# Altium PCB ALCT_MEZ_SPARTAN6T.PcbDoc (part 2 of 12) (continued)
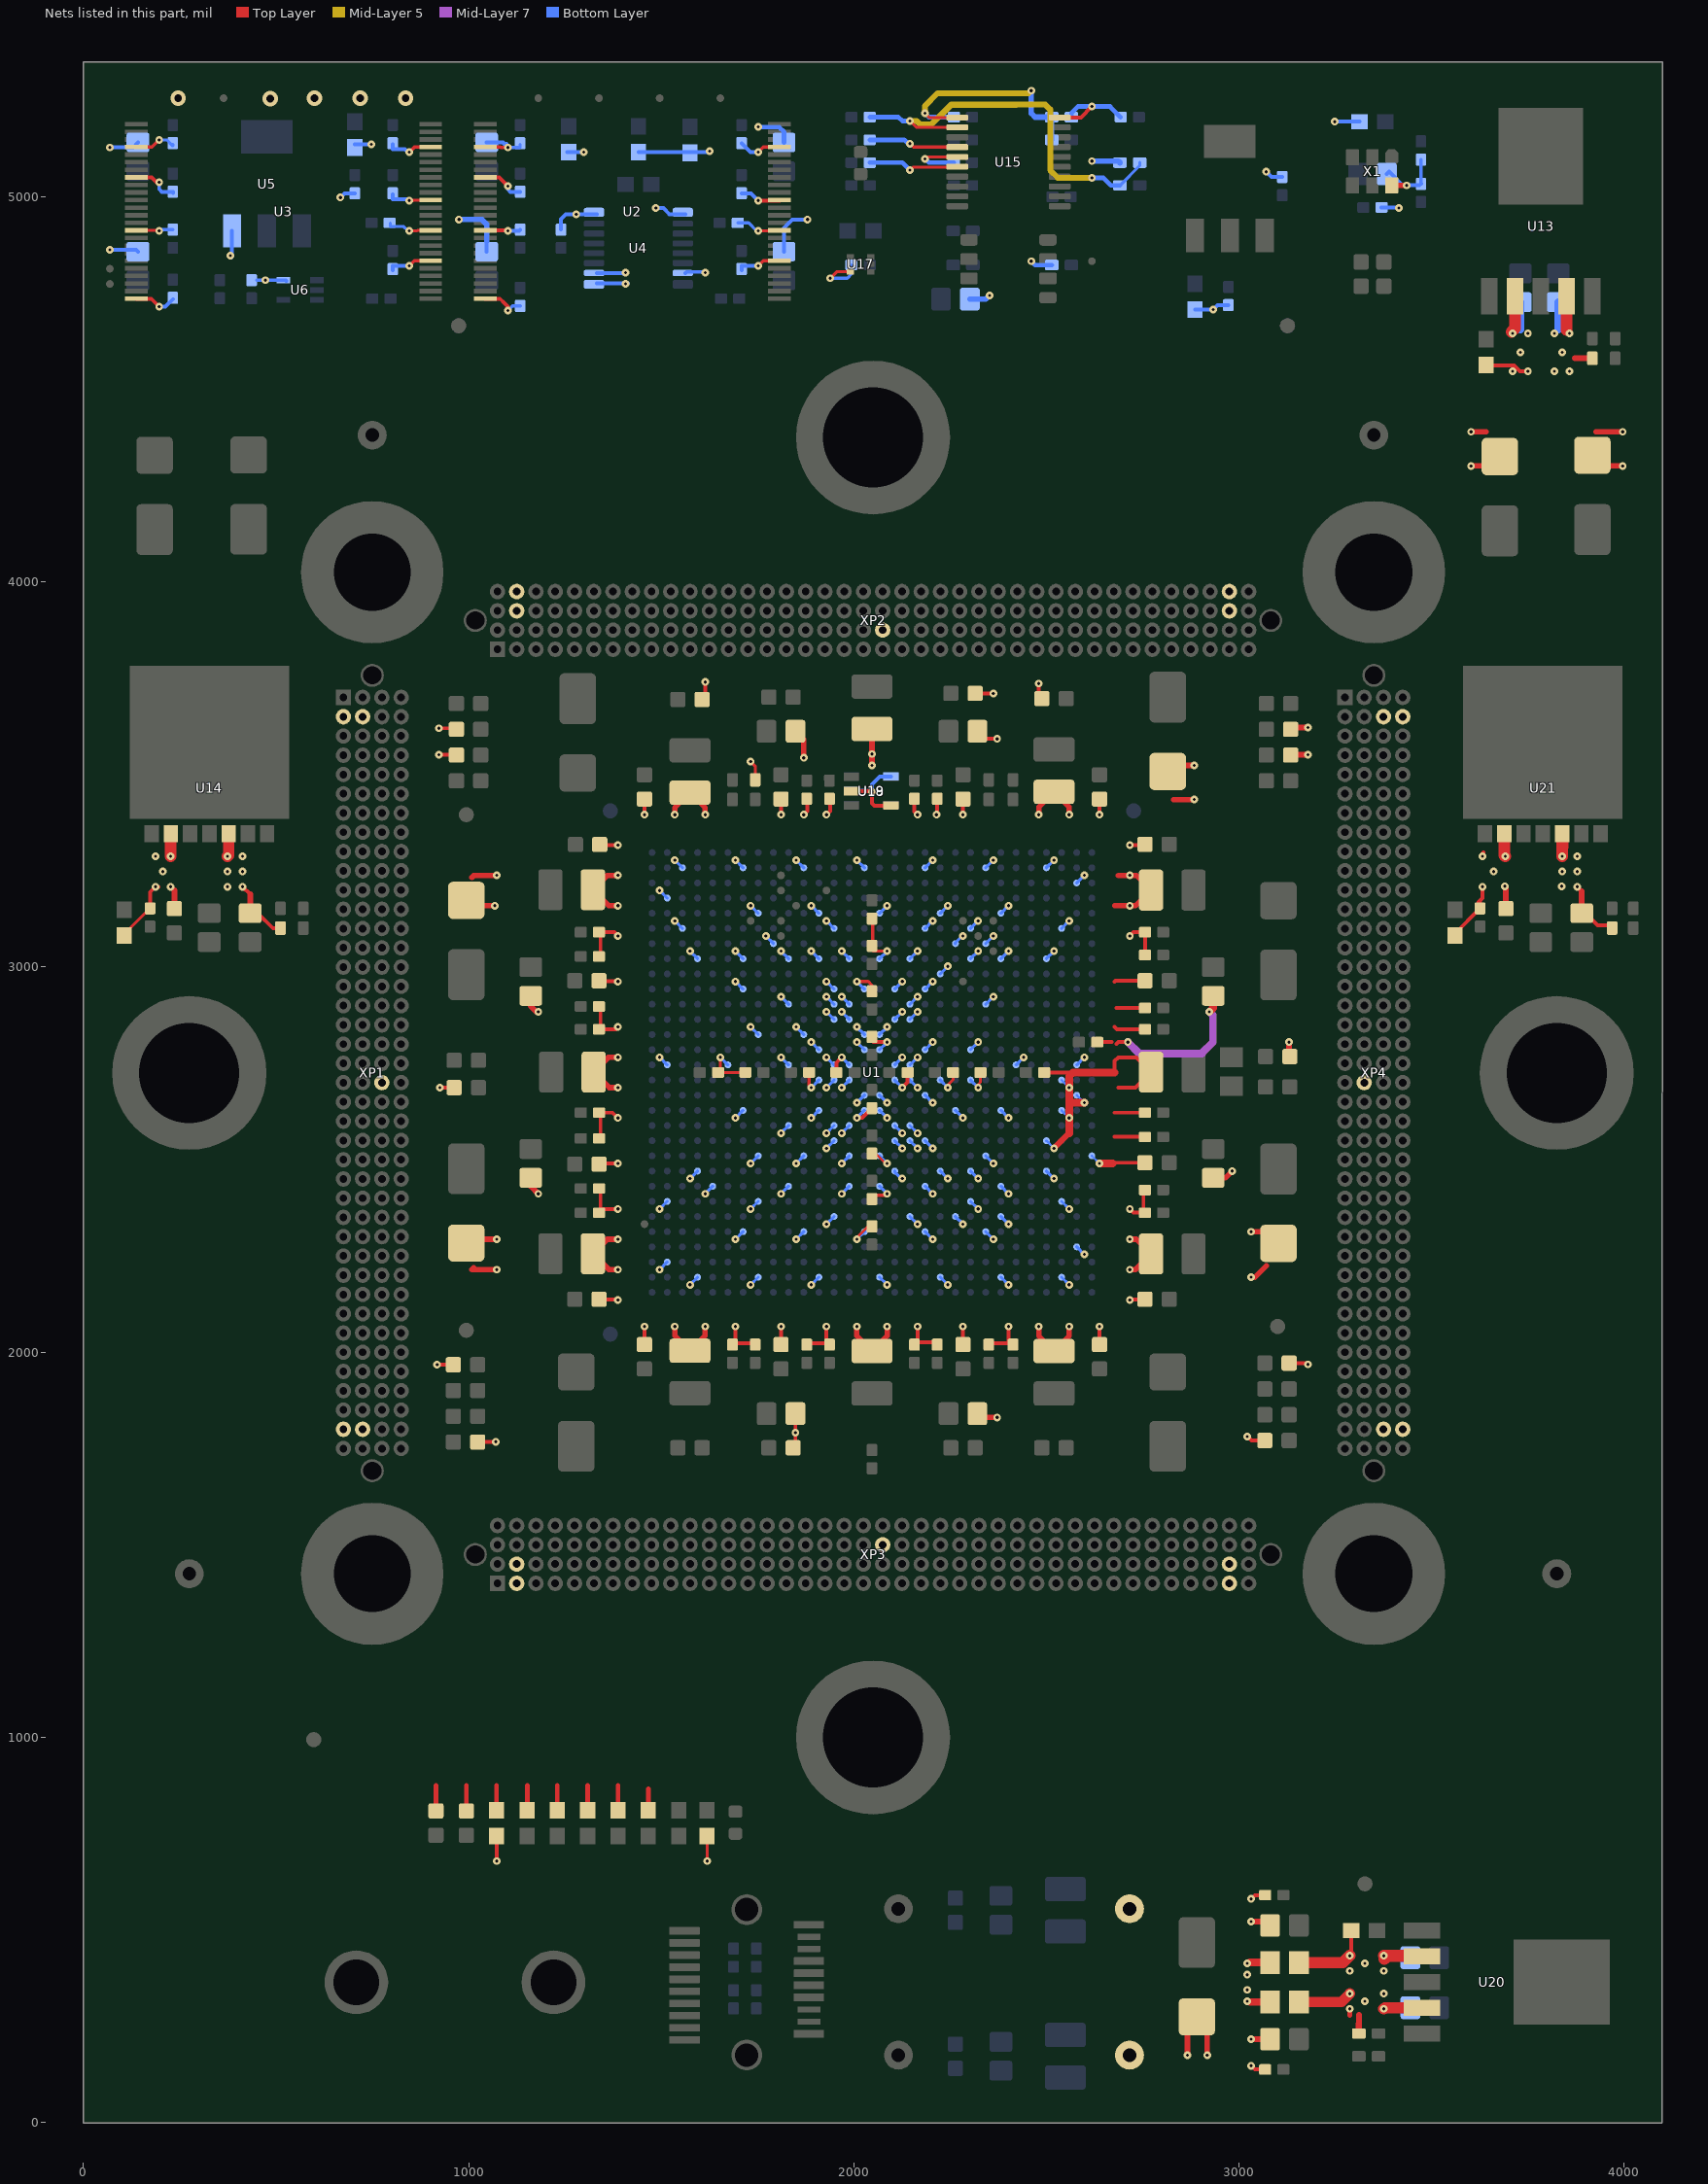
[diagram p12: the nets of this part, all layers, seen from the top]
## Part data (continued)
R03: library part ERA-2AEB162X, "RES SMD 1.6K OHM 0.1% 1/16W 0402", Manufacturer="Panasonic Electronic Components", Operating Temperature="-55°C ~ 155°C", Package=0402, Package / Case="0402 (1005 Metric)", Power (Watts)="0.063W, 1/16W", Supplier Part Number 1=P1.6KDCCT-ND, Temperature Coefficient=±25ppm/°C, Tolerance=±0.1%, Category=Resistors, ComponentLink1Description=https://industrial.panasonic.com/cdbs/www-data/pdf/RDA0000/AOA0000C237.pdf, ComponentLink1URL=https://industrial.panasonic.com/cdbs/www-data/pdf/RDA0000/AOA0000C237.pdf, Composition="Thin Film", Failure Rate=-, Features="Automotive AEC-Q200", Height - Seated (Max)="0.016\" (0.40mm)", Manufacturer Part Number=ERA-2AEB162X, Number of Terminations=2, Packaging="Cut Tape (CT)", Part Status=Active, Pricing 1="1=0.61, 50=0.238, 100=0.1913, 250=0.14876, 500=0.1122, 1000=0.0867, 5000=0.0646 (USD)", Pricing 2="1=0.61, 50=0.238, 100=0.1913, 250=0.14876, 500=0.1122, 1000=0.0867, 5000=0.0646 (USD)", Resistance (Ohms)=1.6k, RoHS="RoHS Compliant", Size / Dimension="0.039\" L x 0.020\" W (1.00mm x 0.50mm)", Stock 1=15584, Stock 2=15584, Supplier 1=Digi-Key, Supplier 2=Digi-Key, Supplier Device Package=0402, Supplier Part Number 2=P1.6KDCDKR-ND
R3 R4: library part ERJ-3EKF1870V, "RES SMD 187 OHM 1% 1/10W 0603", Manufacturer="Panasonic Electronic Components", Operating Temperature="-55°C ~ 155°C", Package / Case="0603 (1608 Metric)", Power (Watts)="0.1W, 1/10W", Resistance (Ohms)=187, Supplier Device Package=0603, Supplier Part Number 1=P187HCT-ND, Temperature Coefficient=±100ppm/°C, Tolerance=±1%, Category=Resistors, ComponentLink1Description=http://industrial.panasonic.com/www-cgi/jvcr13pz.cgi?E+PZ+3+AOA0002+ERJ3EKF1870V+7+WW, ComponentLink1URL=http://industrial.panasonic.com/www-cgi/jvcr13pz.cgi?E+PZ+3+AOA0002+ERJ3EKF1870V+7+WW, Composition="Thick Film", Failure Rate=-, Features="Automotive AEC-Q200", Height - Seated (Max)="0.022\" (0.55mm)", Manufacturer Part Number=ERJ-3EKF1870V, Number of Terminations=2, Packaging="Cut Tape (CT)", Part Status=Active, Pricing 1="1=0.1, 10=0.019, 25=0.0136, 50=0.0104, 100=0.0077, 250=0.00584, 500=0.00468, 1000=0.00345 (USD)", Pricing 2="1=0.1, 10=0.019, 25=0.0136, 50=0.0104, 100=0.0077, 250=0.00584, 500=0.00468, 1000=0.00345 (USD)", RoHS="RoHS Compliant", Size / Dimension="0.063\" L x 0.031\" W (1.60mm x 0.80mm)", Stock 1=136341, Stock 2=136341, Supplier 1=Digi-Key, Supplier 2=Digi-Key, Supplier Part Number 2=P187HDKR-ND
R04 R05: library part HCJ0805ZT0R00, "RES SMD 0.0 OHM JUMPER 0805 HIGH CURRENT", Manufacturer="Stackpole Electronics Inc.", Operating Temperature="-55°C ~ 155°C", Package / Case="0805 (2012 Metric)", Power (Watts)="0.5W, 1/2W", Resistance (Ohms)=0.0, Supplier Device Package=0805, Supplier Part Number 1=HCJ0805ZT0R00CT-ND, Temperature Coefficient=-, Tolerance=Jumper, Category=Resistors, ComponentLink1Description=http://www.seielect.com/catalog/SEI-HCJ.pdf, ComponentLink1URL=http://www.seielect.com/catalog/SEI-HCJ.pdf, Composition=-, Failure Rate=-, Features="Automotive AEC-Q200", Height - Seated (Max)="0.031\" (0.80mm)", Manufacturer Part Number=HCJ0805ZT0R00, Number of Terminations=2, Packaging="Cut Tape (CT)", Part Status=Active, Pricing 1="1=0.59, 10=0.455, 25=0.3464, 50=0.2574, 100=0.1914, 250=0.16172, 500=0.1386, 1000=0.1056 (USD)", Pricing 2="1=0.59, 10=0.455, 25=0.3464, 50=0.2574, 100=0.1914, 250=0.16172, 500=0.1386, 1000=0.1056 (USD)", RoHS="RoHS Compliant", Size / Dimension="0.079\" L x 0.049\" W (2.00mm x 1.25mm)", Stock 1=10033, Stock 2=10033, Supplier 1=Digi-Key, Supplier 2=Digi-Key, Supplier Part Number 2=HCJ0805ZT0R00DKR-ND
R07: library part ERA-2ARB3571X, "RES SMD 3.57k OHM 0.1% 1/16W 0402", Manufacturer="Panasonic Electronic Components", Operating Temperature="-55°C ~ 155°C", Package / Case="0402 (1005 Metric)", Power (Watts)="0.063W, 1/16W", Supplier Device Package=0402, Supplier Part Number 1=P18039CT-ND, Temperature Coefficient=±10ppm/°C, Tolerance=±0.1%, Category=Resistors, ComponentLink1Description=https://industrial.panasonic.com/cdbs/www-data/pdf/RDM0000/AOA0000C237.pdf, ComponentLink1URL=https://industrial.panasonic.com/cdbs/www-data/pdf/RDM0000/AOA0000C237.pdf, Composition="Thin Film", Failure Rate=-, Features="Automotive AEC-Q200", Height - Seated (Max)="0.016\" (0.40mm)", Manufacturer Part Number=ERA-2ARB3571X, Packaging="Cut Tape (CT)", Part Status=Active, Pricing 1="1=0.77, 10=0.667, 100=0.4652, 1000=0.27928 (USD)", Pricing 2="1=0.77, 10=0.667, 100=0.4652, 1000=0.27928 (USD)", Resistance (Ohms)=3.57k, RoHS="RoHS Compliant", Size / Dimension="0.039\" L x 0.020\" W (1.00mm x 0.50mm)", Stock 1=10230, Stock 2=10230, Supplier 1=Digi-Key, Supplier 2=Digi-Key, Supplier Part Number 2=P18039DKR-ND
R08: library part ERA-2AEB182X, "RES SMD 1.8k OHM 0.1% 1/16W 0402", Manufacturer="Panasonic Electronic Components", Operating Temperature="-55°C ~ 155°C", Package / Case="0402 (1005 Metric)", Power (Watts)="0.063W, 1/16W", Resistance (Ohms)=1.8k, Supplier Device Package=0402, Supplier Part Number 1=P1.8KDCCT-ND, Temperature Coefficient=±25ppm/°C, Tolerance=±0.1%, Category=Resistors, ComponentLink1Description=https://industrial.panasonic.com/cdbs/www-data/pdf/RDA0000/AOA0000C237.pdf, ComponentLink1URL=https://industrial.panasonic.com/cdbs/www-data/pdf/RDA0000/AOA0000C237.pdf, Composition="Thin Film", Failure Rate=-, Features="Automotive AEC-Q200", Height - Seated (Max)="0.016\" (0.40mm)", Manufacturer Part Number=ERA-2AEB182X, Number of Terminations=2, Packaging="Cut Tape (CT)", Part Status=Active, Pricing 1="1=0.6, 50=0.2484, 100=0.2052, 250=0.162, 500=0.13824, 1000=0.10368, 5000=0.07776 (USD)", Pricing 2="1=0.6, 50=0.2484, 100=0.2052, 250=0.162, 500=0.13824, 1000=0.10368, 5000=0.07776 (USD)", RoHS="RoHS Compliant", Size / Dimension="0.039\" L x 0.020\" W (1.00mm x 0.50mm)", Stock 1=39375, Stock 2=39375, Supplier 1=Digi-Key, Supplier 2=Digi-Key, Supplier Part Number 2=P1.8KDCDKR-ND
R9 R32 R35: library part CR0603-FX-3300ELF, "RES SMD 330 OHM 1% 1/10W 0603", Manufacturer="Bourns Inc.", Operating Temperature="-55°C ~ 155°C", Package / Case="0603 (1608 Metric)", Power (Watts)="0.1W, 1/10W", Resistance (Ohms)=330, Supplier Device Package=0603, Supplier Part Number 1=CR0603-FX-3300ELFCT-ND, Temperature Coefficient=±100ppm/°C, Tolerance=±1%, Category=Resistors, ComponentLink1Description=http://www.bourns.com/docs/Product-Datasheets/CHPREZTR.pdf, ComponentLink1URL=http://www.bourns.com/docs/Product-Datasheets/CHPREZTR.pdf, Composition="Thick Film", Failure Rate=-, Features="Moisture Resistant", Height - Seated (Max)="0.022\" (0.55mm)", Manufacturer Part Number=CR0603-FX-3300ELF, Packaging="Cut Tape (CT)", Part Status=Active, Pricing 1="1=0.1, 10=0.023, 100=0.0092, 1000=0.00414, 2500=0.00359 (USD)", Pricing 2="1=0.1, 10=0.023, 100=0.0092, 1000=0.00414, 2500=0.00359 (USD)", RoHS="RoHS Compliant", Size / Dimension="0.063\" L x 0.031\" W (1.60mm x 0.80mm)", Stock 1=45245, Stock 2=45245, Supplier 1=Digi-Key, Supplier 2=Digi-Key, Supplier Part Number 2=CR0603-FX-3300ELFDKR-ND
R11 R14: library part ERA-2AEB2371X, "RES SMD 2.37k OHM 0.1% 1/16W 0402", Manufacturer="Panasonic Electronic Components", Operating Temperature="-55°C ~ 155°C", Package / Case="0402 (1005 Metric)", Power (Watts)="0.063W, 1/16W", Supplier Device Package=0402, Supplier Part Number 1=P2.37KDCCT-ND, Temperature Coefficient=±25ppm/°C, Tolerance=±0.1%, Category=Resistors, ComponentLink1Description=https://industrial.panasonic.com/cdbs/www-data/pdf/RDM0000/AOA0000C237.pdf, ComponentLink1URL=https://industrial.panasonic.com/cdbs/www-data/pdf/RDM0000/AOA0000C237.pdf, Composition="Thin Film", Failure Rate=-, Features="Automotive AEC-Q200", Height - Seated (Max)="0.016\" (0.40mm)", Manufacturer Part Number=ERA-2AEB2371X, Packaging="Cut Tape (CT)", Part Status=Active, Pricing 1="1=0.45, 10=0.321, 100=0.1283, 1000=0.06322, 2500=0.05858, 5000=0.053 (USD)", Pricing 2="1=0.45, 10=0.321, 100=0.1283, 1000=0.06322, 2500=0.05858, 5000=0.053 (USD)", Resistance (Ohms)=2.37k, RoHS="RoHS Compliant", Size / Dimension="0.039\" L x 0.020\" W (1.00mm x 0.50mm)", Stock 1=18643, Stock 2=18643, Supplier 1=Digi-Key, Supplier 2=Digi-Key, Supplier Part Number 2=P2.37KDCDKR-ND
R12: library part ERA-2AEB332X, "RES SMD 3.3k OHM 0.1% 1/16W 0402", Manufacturer="Panasonic Electronic Components", Operating Temperature="-55°C ~ 155°C", Package / Case="0402 (1005 Metric)", Power (Watts)="0.063W, 1/16W", Resistance (Ohms)=3.3k, Supplier Device Package=0402, Supplier Part Number 1=P3.3KDCCT-ND, Temperature Coefficient=±25ppm/°C, Tolerance=±0.1%, Category=Resistors, ComponentLink1Description=https://industrial.panasonic.com/cdbs/www-data/pdf/RDA0000/AOA0000C237.pdf, ComponentLink1URL=https://industrial.panasonic.com/cdbs/www-data/pdf/RDA0000/AOA0000C237.pdf, Composition="Thin Film", Failure Rate=-, Features="Automotive AEC-Q200", Height - Seated (Max)="0.016\" (0.40mm)", Manufacturer Part Number=ERA-2AEB332X, Number of Terminations=2, Packaging="Cut Tape (CT)", Part Status=Active, Pricing 1="1=0.61, 50=0.238, 100=0.1913, 250=0.14876, 500=0.1122, 1000=0.0867, 5000=0.0646 (USD)", Pricing 2="1=0.43, 10=0.308, 25=0.2276, 50=0.1676, 100=0.1231, 250=0.10168, 500=0.08384, 1000=0.06066, 5000=0.05084 (USD)", RoHS="RoHS Compliant", Size / Dimension="0.039\" L x 0.020\" W (1.00mm x 0.50mm)", Stock 1=37940, Stock 2=37940, Supplier 1=Digi-Key, Supplier 2=Digi-Key, Supplier Part Number 2=P3.3KDCDKR-ND
R15: library part ERA-2AEB332X, "RES SMD 3.3k OHM 0.1% 1/16W 0402", Manufacturer="Panasonic Electronic Components", Operating Temperature="-55°C ~ 155°C", Package / Case="0402 (1005 Metric)", Power (Watts)="0.063W, 1/16W", Supplier Device Package=0402, Supplier Part Number 1=P3.3KDCCT-ND, Temperature Coefficient=±25ppm/°C, Tolerance=±0.1%, Category=Resistors, ComponentLink1Description=https://industrial.panasonic.com/cdbs/www-data/pdf/RDA0000/AOA0000C237.pdf, ComponentLink1URL=https://industrial.panasonic.com/cdbs/www-data/pdf/RDA0000/AOA0000C237.pdf, Composition="Thin Film", Failure Rate=-, Features="Automotive AEC-Q200", Height - Seated (Max)="0.016\" (0.40mm)", Manufacturer Part Number=ERA-2AEB332X, Number of Terminations=2, Packaging="Cut Tape (CT)", Part Status=Active, Pricing 1="1=0.61, 50=0.238, 100=0.1913, 250=0.14876, 500=0.1122, 1000=0.0867, 5000=0.0646 (USD)", Pricing 2="1=0.43, 10=0.308, 25=0.2276, 50=0.1676, 100=0.1231, 250=0.10168, 500=0.08384, 1000=0.06066, 5000=0.05084 (USD)", Resistance (Ohms)=3.3k, RoHS="RoHS Compliant", Size / Dimension="0.039\" L x 0.020\" W (1.00mm x 0.50mm)", Stock 1=37940, Stock 2=37940, Supplier 1=Digi-Key, Supplier 2=Digi-Key, Supplier Part Number 2=P3.3KDCDKR-ND
R20 R21 R26: library part ERA-2AEB512X, "RES SMD 5.1K OHM 0.1% 1/16W 0402", Manufacturer="Panasonic Electronic Components", Operating Temperature="-55°C ~ 155°C", Package / Case="0402 (1005 Metric)", Power (Watts)="0.063W, 1/16W", Resistance (Ohms)=5.1k, Supplier Device Package=0402, Supplier Part Number 1=P5.1KDCCT-ND, Temperature Coefficient=±25ppm/°C, Tolerance=±0.1%, Category=Resistors, ComponentLink1Description=https://industrial.panasonic.com/cdbs/www-data/pdf/RDA0000/AOA0000C237.pdf, ComponentLink1URL=https://industrial.panasonic.com/cdbs/www-data/pdf/RDA0000/AOA0000C237.pdf, Composition="Thin Film", Failure Rate=-, Features="Automotive AEC-Q200", Height - Seated (Max)="0.016\" (0.40mm)", Manufacturer Part Number=ERA-2AEB512X, Number of Terminations=2, Packaging="Cut Tape (CT)", Part Status=Active, Pricing 1="1=0.61, 50=0.238, 100=0.1913, 250=0.14876, 500=0.1122, 1000=0.0867, 5000=0.0646 (USD)", Pricing 2="1=0.61, 50=0.238, 100=0.1913, 250=0.14876, 500=0.1122, 1000=0.0867, 5000=0.0646 (USD)", RoHS="RoHS Compliant", Size / Dimension="0.039\" L x 0.020\" W (1.00mm x 0.50mm)", Stock 1=26098, Stock 2=26098, Supplier 1=Digi-Key, Supplier 2=Digi-Key, Supplier Part Number 2=P5.1KDCDKR-ND
R22 R23: library part ERA-2AEB512X, "RES SMD 5.1K OHM 0.1% 1/16W 0402", Manufacturer="Panasonic Electronic Components", Operating Temperature="-55°C ~ 155°C", Package / Case="0402 (1005 Metric)", Power (Watts)="0.063W, 1/16W", Supplier Device Package=0402, Supplier Part Number 1=P5.1KDCCT-ND, Temperature Coefficient=±25ppm/°C, Tolerance=±0.1%, Category=Resistors, ComponentLink1Description=https://industrial.panasonic.com/cdbs/www-data/pdf/RDA0000/AOA0000C237.pdf, ComponentLink1URL=https://industrial.panasonic.com/cdbs/www-data/pdf/RDA0000/AOA0000C237.pdf, Composition="Thin Film", Failure Rate=-, Features="Automotive AEC-Q200", Height - Seated (Max)="0.016\" (0.40mm)", Manufacturer Part Number=ERA-2AEB512X, Number of Terminations=2, Packaging="Cut Tape (CT)", Part Status=Active, Pricing 1="1=0.61, 50=0.238, 100=0.1913, 250=0.14876, 500=0.1122, 1000=0.0867, 5000=0.0646 (USD)", Pricing 2="1=0.61, 50=0.238, 100=0.1913, 250=0.14876, 500=0.1122, 1000=0.0867, 5000=0.0646 (USD)", Resistance (Ohms)=5.1k, RoHS="RoHS Compliant", Size / Dimension="0.039\" L x 0.020\" W (1.00mm x 0.50mm)", Stock 1=26098, Stock 2=26098, Supplier 1=Digi-Key, Supplier 2=Digi-Key, Supplier Part Number 2=P5.1KDCDKR-ND
R24 R25: library part ERJ-2GEJ751X, "RES SMD 750 OHM 0.1% 1/10W 0402", Manufacturer="Panasonic Electronic Components", Operating Temperature="-55°C ~ 155°C", Package / Case="0402 (1005 Metric)", Power (Watts)="0.1W, 1/10W", Resistance (Ohms)=750, Supplier Device Package=0402, Supplier Part Number 1=P750JCT-ND, Temperature Coefficient=±200ppm/°C, Tolerance=±5%, Category=Resistors, ComponentLink1Description=http://industrial.panasonic.com/www-cgi/jvcr13pz.cgi?E+PZ+3+AOA0001+ERJ2GEJ751X+7+WW, ComponentLink1URL=http://industrial.panasonic.com/www-cgi/jvcr13pz.cgi?E+PZ+3+AOA0001+ERJ2GEJ751X+7+WW, Composition="Thick Film", Failure Rate=-, Features="Automotive AEC-Q200", Height - Seated (Max)="0.016\" (0.40mm)", Manufacturer Part Number=ERJ-2GEJ751X, Number of Terminations=2, Packaging="Cut Tape (CT)", Part Status=Active, Pricing 1="1=0.1, 50=0.0106, 100=0.0078, 250=0.00596, 500=0.00476, 1000=0.0035, 5000=0.00251 (USD)", Pricing 2="1=0.1, 50=0.0106, 100=0.0078, 250=0.00596, 500=0.00476, 1000=0.0035, 5000=0.00251 (USD)", RoHS="RoHS Compliant", Size / Dimension="0.039\" L x 0.020\" W (1.00mm x 0.50mm)", Stock 1=116476, Stock 2=116476, Supplier 1=Digi-Key, Supplier 2=Digi-Key, Supplier Part Number 2=P750JDKR-ND
R31 R41 R42 R43: library part ERJ-2GEJ106X, "RES SMD 10M OHM 5% 1/10W 0402", Manufacturer="Panasonic Electronic Components", Operating Temperature="-55°C ~ 155°C", Package / Case="0402 (1005 Metric)", Power (Watts)="0.1W, 1/10W", Supplier Device Package=0402, Supplier Part Number 1=P10MJCT-ND, Temperature Coefficient="-400/ +150ppm/°C", Tolerance=±5%, Category=Resistors, ComponentLink1Description=http://industrial.panasonic.com/www-cgi/jvcr13pz.cgi?E+PZ+3+AOA0001+ERJ2GEJ106X+7+WW, ComponentLink1URL=http://industrial.panasonic.com/www-cgi/jvcr13pz.cgi?E+PZ+3+AOA0001+ERJ2GEJ106X+7+WW, Composition="Thick Film", Failure Rate=-, Features="Automotive AEC-Q200", Height - Seated (Max)="0.016\" (0.40mm)", Manufacturer Part Number=ERJ-2GEJ106X, Number of Terminations=2, Packaging="Cut Tape (CT)", Part Status=Active, Pricing 1="1=0.1, 50=0.0106, 100=0.0078, 250=0.00596, 500=0.00476, 1000=0.0035, 5000=0.00251 (USD)", Pricing 2="1=0.1, 50=0.0106, 100=0.0078, 250=0.00596, 500=0.00476, 1000=0.0035, 5000=0.00251 (USD)", Resistance (Ohms)=10M, RoHS="RoHS Compliant", Size / Dimension="0.039\" L x 0.020\" W (1.00mm x 0.50mm)", Stock 1=53777, Stock 2=53777, Supplier 1=Digi-Key, Supplier 2=Digi-Key, Supplier Part Number 2=P10MJDKR-ND
R33 R34: library part CR0603-FX-4701ELF, "RES SMD 4.7K OHM 1% 1/10W 0603", Manufacturer="Bourns Inc.", Operating Temperature="-55°C ~ 155°C", Package / Case="0603 (1608 Metric)", Power (Watts)="0.1W, 1/10W", Resistance (Ohms)=4.7k, Supplier Device Package=0603, Supplier Part Number 1=CR0603-FX-4701ELFCT-ND, Temperature Coefficient=±100ppm/°C, Tolerance=±1%, Category=Resistors, ComponentLink1Description=http://www.bourns.com/docs/Product-Datasheets/CHPREZTR.pdf, ComponentLink1URL=http://www.bourns.com/docs/Product-Datasheets/CHPREZTR.pdf, Composition="Thick Film", Failure Rate=-, Features="Moisture Resistant", Height - Seated (Max)="0.022\" (0.55mm)", Manufacturer Part Number=CR0603-FX-4701ELF, Packaging="Cut Tape (CT)", Part Status=Active, Pricing 1="1=0.1, 10=0.021, 100=0.0086, 1000=0.00385, 2500=0.00334 (USD)", Pricing 2="1=0.1, 10=0.021, 100=0.0086, 1000=0.00385, 2500=0.00334 (USD)", RoHS="RoHS Compliant", Size / Dimension="0.063\" L x 0.031\" W (1.60mm x 0.80mm)", Stock 1=43560, Stock 2=43560, Supplier 1=Digi-Key, Supplier 2=Digi-Key, Supplier Part Number 2=CR0603-FX-4701ELFDKR-ND
R36: library part ERJ-3EKF28R0V, "RES SMD 28 OHM 1% 1/10W 0603", Manufacturer="Panasonic Electronic Components", Operating Temperature="-55°C ~ 155°C", Package / Case="0603 (1608 Metric)", Power (Watts)="0.1W, 1/10W", Resistance (Ohms)=28, Supplier Device Package=0603, Supplier Part Number 1=P28.0HCT-ND, Temperature Coefficient=±100ppm/°C, Tolerance=±1%, Category=Resistors, ComponentLink1Description=http://industrial.panasonic.com/www-cgi/jvcr13pz.cgi?E+PZ+3+AOA0002+ERJ3EKF28R0V+7+WW, ComponentLink1URL=http://industrial.panasonic.com/www-cgi/jvcr13pz.cgi?E+PZ+3+AOA0002+ERJ3EKF28R0V+7+WW, Composition="Thick Film", Failure Rate=-, Features="Automotive AEC-Q200", Height - Seated (Max)="0.022\" (0.55mm)", Manufacturer Part Number=ERJ-3EKF28R0V, Number of Terminations=2, Packaging="Cut Tape (CT)", Part Status=Active, Pricing 1="1=0.1, 10=0.019, 25=0.0136, 50=0.0104, 100=0.0077, 250=0.00584, 500=0.00468, 1000=0.00345 (USD)", Pricing 2="1=0.1, 10=0.019, 25=0.0136, 50=0.0104, 100=0.0077, 250=0.00584, 500=0.00468, 1000=0.00345 (USD)", RoHS="RoHS Compliant", Size / Dimension="0.063\" L x 0.031\" W (1.60mm x 0.80mm)", Stock 1=22288, Stock 2=22288, Supplier 1=Digi-Key, Supplier 2=Digi-Key, Supplier Part Number 2=P28.0HDKR-ND
R37 R38 R39 R40: library part RC1005J000CS, "RES SMD 0.0OHM JUMPER 1/16W 0402", Manufacturer="Samsung Electro-Mechanics America, Inc.", Operating Temperature="-55°C ~ 155°C", Package / Case="0402 (1005 Metric)", Power (Watts)="0.063W, 1/16W", Resistance (Ohms)=0.0, Supplier Device Package=0402, Supplier Part Number 1=1276-3480-1-ND, Temperature Coefficient=-, Tolerance=Jumper, Category=Resistors, ComponentLink1Description=http://www.samsungsem.com/kr/support/library/product-catalog/chip_resistor.jsp, ComponentLink1URL=http://www.samsungsem.com/kr/support/library/product-catalog/chip_resistor.jsp, Composition="Thick Film", Failure Rate=-, Features="Moisture Resistant", Height - Seated (Max)="0.016\" (0.40mm)", Manufacturer Part Number=RC1005J000CS, Packaging="Cut Tape (CT)", Part Status=Active, Pricing 1="1=0.1, 10=0.01, 25=0.0076, 50=0.0056, 100=0.0042, 250=0.0032, 500=0.00256, 1000=0.00188, 5000=0.00135 (USD)", Pricing 2="1=0.1, 10=0.01, 25=0.0076, 50=0.0056, 100=0.0042, 250=0.0032, 500=0.00256, 1000=0.00188, 5000=0.00135 (USD)", RoHS="RoHS Compliant", Size / Dimension="0.039\" L x 0.020\" W (1.00mm x 0.50mm)", Stock 1=3176408, Stock 2=3176408, Supplier 1=Digi-Key, Supplier 2=Digi-Key, Supplier Part Number 2=1276-3480-6-ND
SP1: library part SPlate_MC_S6
T1: library part "NET TIE VIA"
TPG1 TPG2 TPG3 TPG4: library part TPGND, Package=90, COMPGROUP=0, COMPROT=0, COMPSIDE=TOP, mfgr=Mill-Max, mfgr_foot=Turret, mfgr_id=2341, silk=What
U1: "Spartan-6 LXT 1.2V FPGA, 540 User I/Os, 900-Ball Chip-Scale BGA (1.0mm Pitch), Speed Grade 3, Commercial Grade, Pb-Free", Manufacturer="Xilinx Inc.", Operating Temperature="0°C ~ 85°C (TJ)", Package / Case=900-BBGA, Supplier Device Package="900-FBGA (31x31)", Supplier Part Number 1=XC6SLX150T-3FGG900C-ND, Voltage - Supply="1.14 V ~ 1.26 V", Category="Integrated Circuits (ICs)", Code_IPC=BGA100P30X30-900, Code_JEDEC=MS-034-AAN-1, ComponentLink1Description="Manufacturer URL", ComponentLink1URL=http://www.xilinx.com/, ComponentLink2Description="Spartan-6 Datasheet", ComponentLink2URL=http://www.xilinx.com/support/documentation/data_sheets/ds160.pdf, ComponentLink3Description="Spartan-6 Documents", ComponentLink3URL=http://www.xilinx.com/support/documentation/spartan-6.htm, ComponentLink4Description=http://www.xilinx.com/support/documentation/data_sheets/ds162.pdf, ComponentLink4URL=http://www.xilinx.com/support/documentation/data_sheets/ds162.pdf, DatasheetVersion="ver1.6, Nov-2010", Manufacturer Part Number=XC6SLX150T-3FGG900C, Mounting Type="Surface Mount", Number of I/O=540, PackageDescription="900-Ball Fine-Pitch Ball Grid Array (FGG900) - Pb-Free", PackageReference=FGG900, PackageVersion="ver1.4, Nov-2009", Part Status=Active, Pricing 1="27=287.3 (USD)", RoHS="RoHS Compliant", Stock 1=0, Supplier 1=Digi-Key
U2: "IC PROM SRL/PAR 1.8V 32M 48TSOP", Manufacturer="Xilinx Inc.", Operating Temperature="-40°C ~ 85°C", Package / Case="48-TFSOP (0.724\", 18.40mm Width)", Supplier Device Package=48-TSOP, Supplier Part Number 1=122-1458-ND, Voltage - Supply="1.65 V ~ 2 V", Category="Integrated Circuits (ICs)", COMPGROUP=0, ComponentLink1Description=http://www.xilinx.com/support/documentation/data_sheets/ds123.pdf, ComponentLink1URL=http://www.xilinx.com/support/documentation/data_sheets/ds123.pdf, COMPROT=270, COMPSIDE=TOP, Manufacturer Part Number=XCF32PVOG48C, Memory Size=32Mb, mfgr=Xilinx, mfgr_foot=VOG48, mfgr_id=XCF32PVOG48C, Packaging=Tube, Part Status=Active, Pricing 1="1=27.23 (USD)", Programmable Type="In System Programmable", RoHS="RoHS Compliant", Stock 1=1063, Supplier 1=Digi-Key
U3: "IC PROM SRL/PAR 1.8V 08M 48TSOP", Manufacturer="Xilinx Inc.", Operating Temperature="-40°C ~ 85°C", Package / Case="48-TFSOP (0.724\", 18.40mm Width)", Supplier Device Package=48-TSOP, Supplier Part Number 1=122-1454-ND, Voltage - Supply="1.65 V ~ 2 V", Category="Integrated Circuits (ICs)", ComponentLink1Description=http://www.xilinx.com/support/documentation/data_sheets/ds123.pdf, ComponentLink1URL=http://www.xilinx.com/support/documentation/data_sheets/ds123.pdf, Manufacturer Part Number=XCF08PVOG48C, Memory Size=8Mb, Packaging=Tube, Part Status=Active, Pricing 1="1=12.53 (USD)", Programmable Type="In System Programmable", RoHS="RoHS Compliant", Stock 1=978, Supplier 1=Digi-Key
U4: library part 74LVC161PW, "IC SYNC 4BIT BIN COUNTER 16TSSOP", Manufacturer="NXP USA Inc.", Operating Temperature="-40°C ~ 125°C", Package / Case="16-TSSOP (0.173\", 4.40mm Width)", Supplier Device Package=16-TSSOP, Supplier Part Number 1=568-7667-1-ND, Voltage - Supply="1.2 V ~ 3.6 V", Category="Integrated Circuits (ICs)", ComponentLink1Description=http://www.nxp.com/documents/data_sheet/74LVC161.pdf, ComponentLink1URL=http://www.nxp.com/documents/data_sheet/74LVC161.pdf, ComponentLink2Description=http://assets.nexperia.com/documents/data-sheet/74LVC161.pdf, ComponentLink2URL=http://assets.nexperia.com/documents/data-sheet/74LVC161.pdf, Count Rate=150MHz, Direction=Up, Logic Type="Binary Counter", Manufacturer Part Number=74LVC161PW,118, Mounting Type="Surface Mount", Number of Bits per Element=4, Number of Elements=1, Packaging="Cut Tape (CT)", Part Status=Active, Pricing 1="1=0.64, 10=0.561, 100=0.429, 500=0.3399, 1000=0.27225 (USD)", Pricing 2="1=0.64, 10=0.561, 100=0.429, 500=0.3399, 1000=0.27225 (USD)", Pricing 3="1=0.64, 10=0.561, 100=0.43, 500=0.3399, 1000=0.27192 (USD)", Pricing 4="1=0.64, 10=0.561, 100=0.43, 500=0.3399, 1000=0.27192 (USD)", Reset=Asynchronous, RoHS="RoHS Compliant", Stock 1=3261, Stock 2=3261, Stock 3=1164, Stock 4=1164, Supplier 1=Digi-Key, Supplier 2=Digi-Key, Supplier 3=Digi-Key, Supplier 4=Digi-Key, Supplier Part Number 2=568-7667-6-ND, Supplier Part Number 3=1727-5981-1-ND, Supplier Part Number 4=1727-5981-6-ND, Timing=Synchronous, Trigger Type="Positive Edge"
U5: "IC POR 2.88V 10% SOT223", Manufacturer="Maxim Integrated", Manufacturer Part Number=DS1233AZ-10+T&R, Operating Temperature="-40°C ~ 85°C (TA)", Package / Case="TO-261-4, TO-261AA", Supplier Device Package=SOT-223-3, Supplier Part Number 1=DS1233AZ-10+CT-ND, Voltage - Threshold=2.88V, Category="Integrated Circuits (ICs)", ComponentLink1Description=http://datasheets.maximintegrated.com/en/ds/DS1233A.pdf, ComponentLink1URL=http://datasheets.maximintegrated.com/en/ds/DS1233A.pdf, Mounting Type="Surface Mount", Output="Open Drain or Open Collector", Packaging="Cut Tape (CT)", Part Status=Active, Pricing 1="1=2.14, 10=2.015, 25=1.6116, 50=1.531, 100=1.4102, 250=1.33764, 500=1.28928 (USD)", Pricing 2="1=2.55, 10=2.423, 25=1.7, 50=1.615, 100=1.26, 250=1.197 (USD)", Pricing 3="1=2.14, 10=2.015, 25=1.6116, 50=1.531, 100=1.4102, 250=1.33764, 500=1.28928 (USD)", Reset="Active Low", Reset Timeout="250 ms Minimum", RoHS="RoHS Compliant", Stock 1=3429, Stock 2=2849, Stock 3=3429, Supplier 1=Digi-Key, Supplier 2=Digi-Key, Supplier 3=Digi-Key, Supplier Part Number 2=DS1233AZ-10+-ND, Supplier Part Number 3=DS1233AZ-10+DKR-ND, Type="Simple Reset/Power-On Reset"
U6: Current - Output High, Low="-, 32mA", Manufacturer="Texas Instruments", Manufacturer Part Number=SN74LVC1G07MDCKREP, Operating Temperature="-55°C ~ 125°C (TA)", Package=99, Package / Case="5-TSSOP, SC-70-5, SOT-353", Supplier Device Package=SC-70-5, Supplier Part Number 1=296-22343-1-ND, Voltage - Supply="1.65 V ~ 5.5 V", Category="Integrated Circuits (ICs)", COMPGROUP=0, ComponentLink1Description=http://www.ti.com/lit/ds/symlink/sn74lvc1g07-ep.pdf, ComponentLink1URL=http://www.ti.com/lit/ds/symlink/sn74lvc1g07-ep.pdf, COMPROT=270, COMPSIDE=TOP, Input Type=-, Logic Type="Buffer, Non-Inverting", mfgr="Texas Inst", mfgr_foot=DCK, mfgr_id=SN74LVC1G07MDCKREP, Mounting Type="Surface Mount", Number of Bits per Element=1, Output Type="Open Drain", Packaging="Cut Tape (CT)", Part Status=Active, Pricing 1="1=0.81, 10=0.714, 100=0.5472, 500=0.4326, 1000=0.34608 (USD)", Pricing 2="1=0.81, 10=0.714, 100=0.5472, 500=0.4326, 1000=0.34608 (USD)", RoHS="RoHS Compliant", Stock 1=4252, Stock 2=4252, Supplier 1=Digi-Key, Supplier 2=Digi-Key, Supplier Part Number 2=296-22343-6-ND
U11: library part DS2401_sot223, Manufacturer="Maxim Integrated", Manufacturer Part Number=DS2401Z+T&R, Package / Case="TO-261-4, TO-261AA", Supplier Device Package=SOT-223-3, Supplier Part Number 1=DS2401Z+T&RCT-ND, Applications="PCB, Network Node, Equipment Identification/Registration", Category="Integrated Circuits (ICs)", ComponentLink1Description=http://pdfserv.maximintegrated.com/en/ds/DS2401.pdf, ComponentLink1URL=http://pdfserv.maximintegrated.com/en/ds/DS2401.pdf, Mounting Type="Surface Mount", Packaging="Cut Tape (CT)", Part Status=Active, Pricing 1="1=2, 10=1.89, 25=1.51, 50=1.43, 100=1.32, 250=1.25, 500=1.21 (USD)", Pricing 2="1=2, 10=1.89, 25=1.51, 50=1.43, 100=1.32, 250=1.25, 500=1.21 (USD)", RoHS="RoHS Compliant", Stock 1=8136, Stock 2=8136, Supplier 1=Digi-Key, Supplier 2=Digi-Key, Supplier Part Number 2=DS2401Z+T&RDKR-ND, Type="Silicon Serial Number"
U13 U20: "IC REG LDO ADJ 3A 5PFM", Current - Limit (Min)=-, Current - Output=3A, Manufacturer="Texas Instruments", Manufacturer Part Number=LP38501ATJ-ADJ/NOPB, Operating Temperature="-40°C ~ 125°C", Package=000, Package / Case="TO-263-5 Thin", Supplier Part Number 1=LP38501ATJ-ADJ/NOPBCT-ND, Voltage - Dropout (Typical)="0.42V @ 3A", Voltage - Input="2.7 V ~ 5.5 V", Voltage - Output="0.6 V ~ 5 V", Category="Integrated Circuits (ICs)", COMPGROUP=0, ComponentLink1Description=http://www.ti.com/lit/ds/symlink/lp38501-adj.pdf, ComponentLink1URL=http://www.ti.com/lit/ds/symlink/lp38501-adj.pdf, COMPROT=0, COMPSIDE=TOP, mfgr=National, mfgr_foot=TO-263-THIN, mfgr_id=LP38501ATJ-ADJ, Mounting Type="Surface Mount", Packaging="Cut Tape (CT)", Part Status=Active, Pricing 1="1=2.19, 10=1.965, 100=1.5796, 500=1.2978 (USD)", Regulator Topology="Positive Adjustable", RoHS="RoHS Compliant", Stock 1=1035, Supplier 1=Digi-Key, Supplier Device Package="TO-263-5 Thin"
U14 U21: "IC REG LDO ADJ 5A SPAK-7", Current - Limit (Min)=5.5A, Current - Output=5A, Manufacturer="Microchip Technology", Manufacturer Part Number=MIC49500WR-TR, Operating Temperature="-40°C ~ 125°C", Package=000, Package / Case="SPak-7 (7 leads + Tab)", Supplier Device Package=S-PAK-7, Supplier Part Number 1=576-1466-1-ND, Voltage - Dropout (Typical)="0.29V @ 5A", Voltage - Input="1.4 V ~ 6 V", Voltage - Output="0.7 V ~ 6 V", Category="Integrated Circuits (ICs)", COMPGROUP=0, ComponentLink1Description=http://www.microchip.com/mymicrochip/filehandler.aspx?ddocname=en579403, ComponentLink1URL=http://www.microchip.com/mymicrochip/filehandler.aspx?ddocname=en579403, COMPROT=0, COMPSIDE=TOP, mfgr=Micrel, mfgr_foot=S-PAK-7, mfgr_id=MIC49500WR, Mounting Type="Surface Mount", Packaging="Cut Tape (CT)", Part Status=Active, Pricing 1="1=7.76, 25=6.458, 100=5.8813 (USD)", Pricing 2="1=7.76, 25=6.458, 100=5.8813 (USD)", Regulator Topology="Positive Adjustable", RoHS="RoHS Compliant", Stock 1=304, Stock 2=304, Supplier 1=Digi-Key, Supplier 2=Digi-Key, Supplier Part Number 2=576-1466-6-ND
U15: "IC SERIAL OUT A/D 11-CH 20-SSOP", Manufacturer="Texas Instruments", Manufacturer Part Number=TLV2543CDBR, Operating Temperature="0°C ~ 70°C", Package / Case="20-SSOP (0.209\", 5.30mm Width)", Supplier Device Package=20-SSOP, Supplier Part Number 1=296-10643-1-ND, Voltage - Supply, Analog="3 V ~ 3.6 V", Architecture=SAR, Category="Integrated Circuits (ICs)", COMPGROUP=0, ComponentLink1Description=http://www.ti.com/lit/ds/symlink/tlv2543.pdf, ComponentLink1URL=http://www.ti.com/lit/ds/symlink/tlv2543.pdf, COMPROT=270, COMPSIDE=TOP, Configuration=MUX-S/H-ADC, Data Interface=SPI, Features=-, Input Type="Single Ended", mfgr="Texas Inst", mfgr_foot=DB20, mfgr_id=TLV2543CDB, Number of A/D Converters=1, Number of Bits=12, Number of Inputs=11, Packaging="Cut Tape (CT)", Part Status=Active, Pricing 1="1=12.64, 10=11.596, 100=9.7894, 500=8.68224, 1000=7.98299 (USD)", Pricing 2="1=12.64, 10=11.596, 100=9.7894, 500=8.68224, 1000=7.98299 (USD)", Ratio - S/H:ADC=1:1, Reference Type=External, RoHS="RoHS Compliant", Sampling Rate (Per Second)=66k, Stock 1=505, Stock 2=505, Supplier 1=Digi-Key, Supplier 2=Digi-Key, Supplier Part Number 2=296-10643-6-ND, Voltage - Supply, Digital="3 V ~ 3.6 V"
U16: library part LT1634_2.5V, "IC VREF SHUNT 2.5V 8SOIC", Current - Cathode=8µA, Current - Output=50mA, Current - Supply=-, Manufacturer="Linear Technology", Manufacturer Part Number=LT1634ACS8-2.5#PBF, Operating Temperature="0°C ~ 70°C (TA)", Package / Case="8-SOIC (0.154\", 3.90mm Width)", Supplier Device Package=8-SOIC, Supplier Part Number 1=LT1634ACS8-2.5#PBF-ND, Temperature Coefficient=10ppm/°C, Tolerance=±0.05%, Voltage - Output (Min/Fixed)=2.5V, Category="Integrated Circuits (ICs)", COMPGROUP=0, ComponentLink1Description=http://www.linear.com/docs/3209, ComponentLink1URL=http://www.linear.com/docs/3209, COMPROT=270, COMPSIDE=TOP, mfgr="Linear Tech", mfgr_foot=SOIC8, mfgr_id=LT1634ACS8-2.5, Mounting Type="Surface Mount", Noise - 0.1Hz to 10Hz=15µVp-p, Noise - 10Hz to 10kHz=-, Output Type=Fixed, Packaging=Tube, Part Status=Active, Pricing 1="1=9.42, 25=6.256, 100=4.7109 (USD)", Reference Type=Shunt, RoHS="RoHS Compliant", Stock 1=1010, Supplier 1=Digi-Key, Voltage - Input=-, Voltage - Output (Max)=-
U17: "IC BUFFER NON-INVERT SOT5", Current - Output High, Low="32mA, 32mA", Manufacturer="Texas Instruments", Operating Temperature="-40°C ~ 125°C (TA)", Package=99, Package / Case=SOT-553, Supplier Device Package=SOT-5, Supplier Part Number 1=296-18017-1-ND, Voltage - Supply="1.65 V ~ 5.5 V", Category="Integrated Circuits (ICs)", COMPGROUP=0, ComponentLink1Description=http://www.ti.com/lit/ds/symlink/sn74lvc1g34.pdf, ComponentLink1URL=http://www.ti.com/lit/ds/symlink/sn74lvc1g34.pdf, COMPROT=270, COMPSIDE=TOP, Input Type=-, Logic Type="Buffer, Non-Inverting", Manufacturer Part Number=SN74LVC1G34DRLR, mfgr="Texas Inst", mfgr_foot=DRL, mfgr_id=SN74LVC1G34DRLR, Mounting Type="Surface Mount", Number of Bits per Element=1, Output Type=Push-Pull, Packaging="Cut Tape (CT)", Part Status=Active, Pricing 1="1=0.48, 10=0.387, 100=0.2637, 500=0.19776, 1000=0.14832 (USD)", Pricing 2="1=0.48, 10=0.387, 100=0.2637, 500=0.19776, 1000=0.14832 (USD)", RoHS="RoHS Compliant", Stock 1=1633, Stock 2=1633, Supplier 1=Digi-Key, Supplier 2=Digi-Key, Supplier Part Number 2=296-18017-6-ND
U18 U19: Manufacturer="Analog Devices Inc.", Manufacturer Part Number=TMP36FSZ-REEL, Operating Temperature="-40°C ~ 150°C", Package / Case="8-SOIC (0.154\", 3.90mm Width)", Sensing Temperature - Local="-40°C ~ 125°C", Sensing Temperature - Remote=-, Supplier Device Package=8-SOIC, Supplier Part Number 1=TMP36FSZ-REELCT-ND, Voltage - Supply="2.7 V ~ 5.5 V", Accuracy - Highest (Lowest)="±2°C (±3°C)", Category="Sensors, Transducers", ComponentLink1Description=http://www.analog.com/media/en/technical-documentation/data-sheets/TMP35_36_37.pdf, ComponentLink1URL=http://www.analog.com/media/en/technical-documentation/data-sheets/TMP35_36_37.pdf, Features="Shutdown Mode", mfgr="Analog Devices", mfgr_foot=SOT23_RJ5, mfgr_id=TMP36GRTZ, Mounting Type="Surface Mount", Output Type="Analog Voltage", Packaging="Cut Tape (CT)", Part Status=Active, Pricing 1="1=2.09, 10=1.876, 100=1.5077, 500=1.23874, 1000=1.02638 (USD)", Pricing 2="1=2.09, 10=1.876, 100=1.5077, 500=1.23874, 1000=1.02638 (USD)", Resolution=10mV/°C, RoHS="RoHS Compliant", Sensor Type="Analog, Local", Stock 1=63, Stock 2=63, Supplier 1=Digi-Key, Supplier 2=Digi-Key, Supplier Part Number 2=TMP36FSZ-REELDKR-ND, Test Condition="25°C (-40°C ~ 125°C)"
X1: "OSC 80.0000MHZ LVDS SMD", Current - Supply (Disable) (Max)=20mA, Current - Supply (Max)=30mA, Frequency=80MHz, Frequency Stability=±30ppm, Manufacturer=EPSON, Operating Temperature="-40°C ~ 85°C", Package / Case="6-SMD, No Lead (DFN, LCC)", Ratings=-, Supplier Part Number 1=SER3935CT-ND, Voltage - Supply="2.5 V ~ 3.3 V", Category="Crystals, Oscillators, Resonators", ComponentLink1Description=https://support.epson.biz/td/api/doc_check.php?dl=brief_SG3225EAN_en.pdf, ComponentLink1URL=https://support.epson.biz/td/api/doc_check.php?dl=brief_SG3225EAN_en.pdf, Function=Enable/Disable, Height - Seated (Max)="0.047\" (1.20mm)", Manufacturer Part Number="SG3225VAN 80.000000M-KEGA3", Mounting Type="Surface Mount", Output=LVDS, Packaging="Cut Tape (CT)", Part Status=Active, Pricing 1="1=2.29, 10=2.241, 50=2.134, 100=1.8673 (USD)", Pricing 2="1=2.29, 10=2.241, 50=2.134, 100=1.8673 (USD)", RoHS="RoHS Compliant", Size / Dimension="0.126\" L x 0.098\" W (3.20mm x 2.50mm)", Stock 1=107, Stock 2=107, Supplier 1=Digi-Key, Supplier 2=Digi-Key, Supplier Part Number 2=SER3935DKR-ND, Type="XO (Standard)"